# Allegro board mb1260.brd (continued)
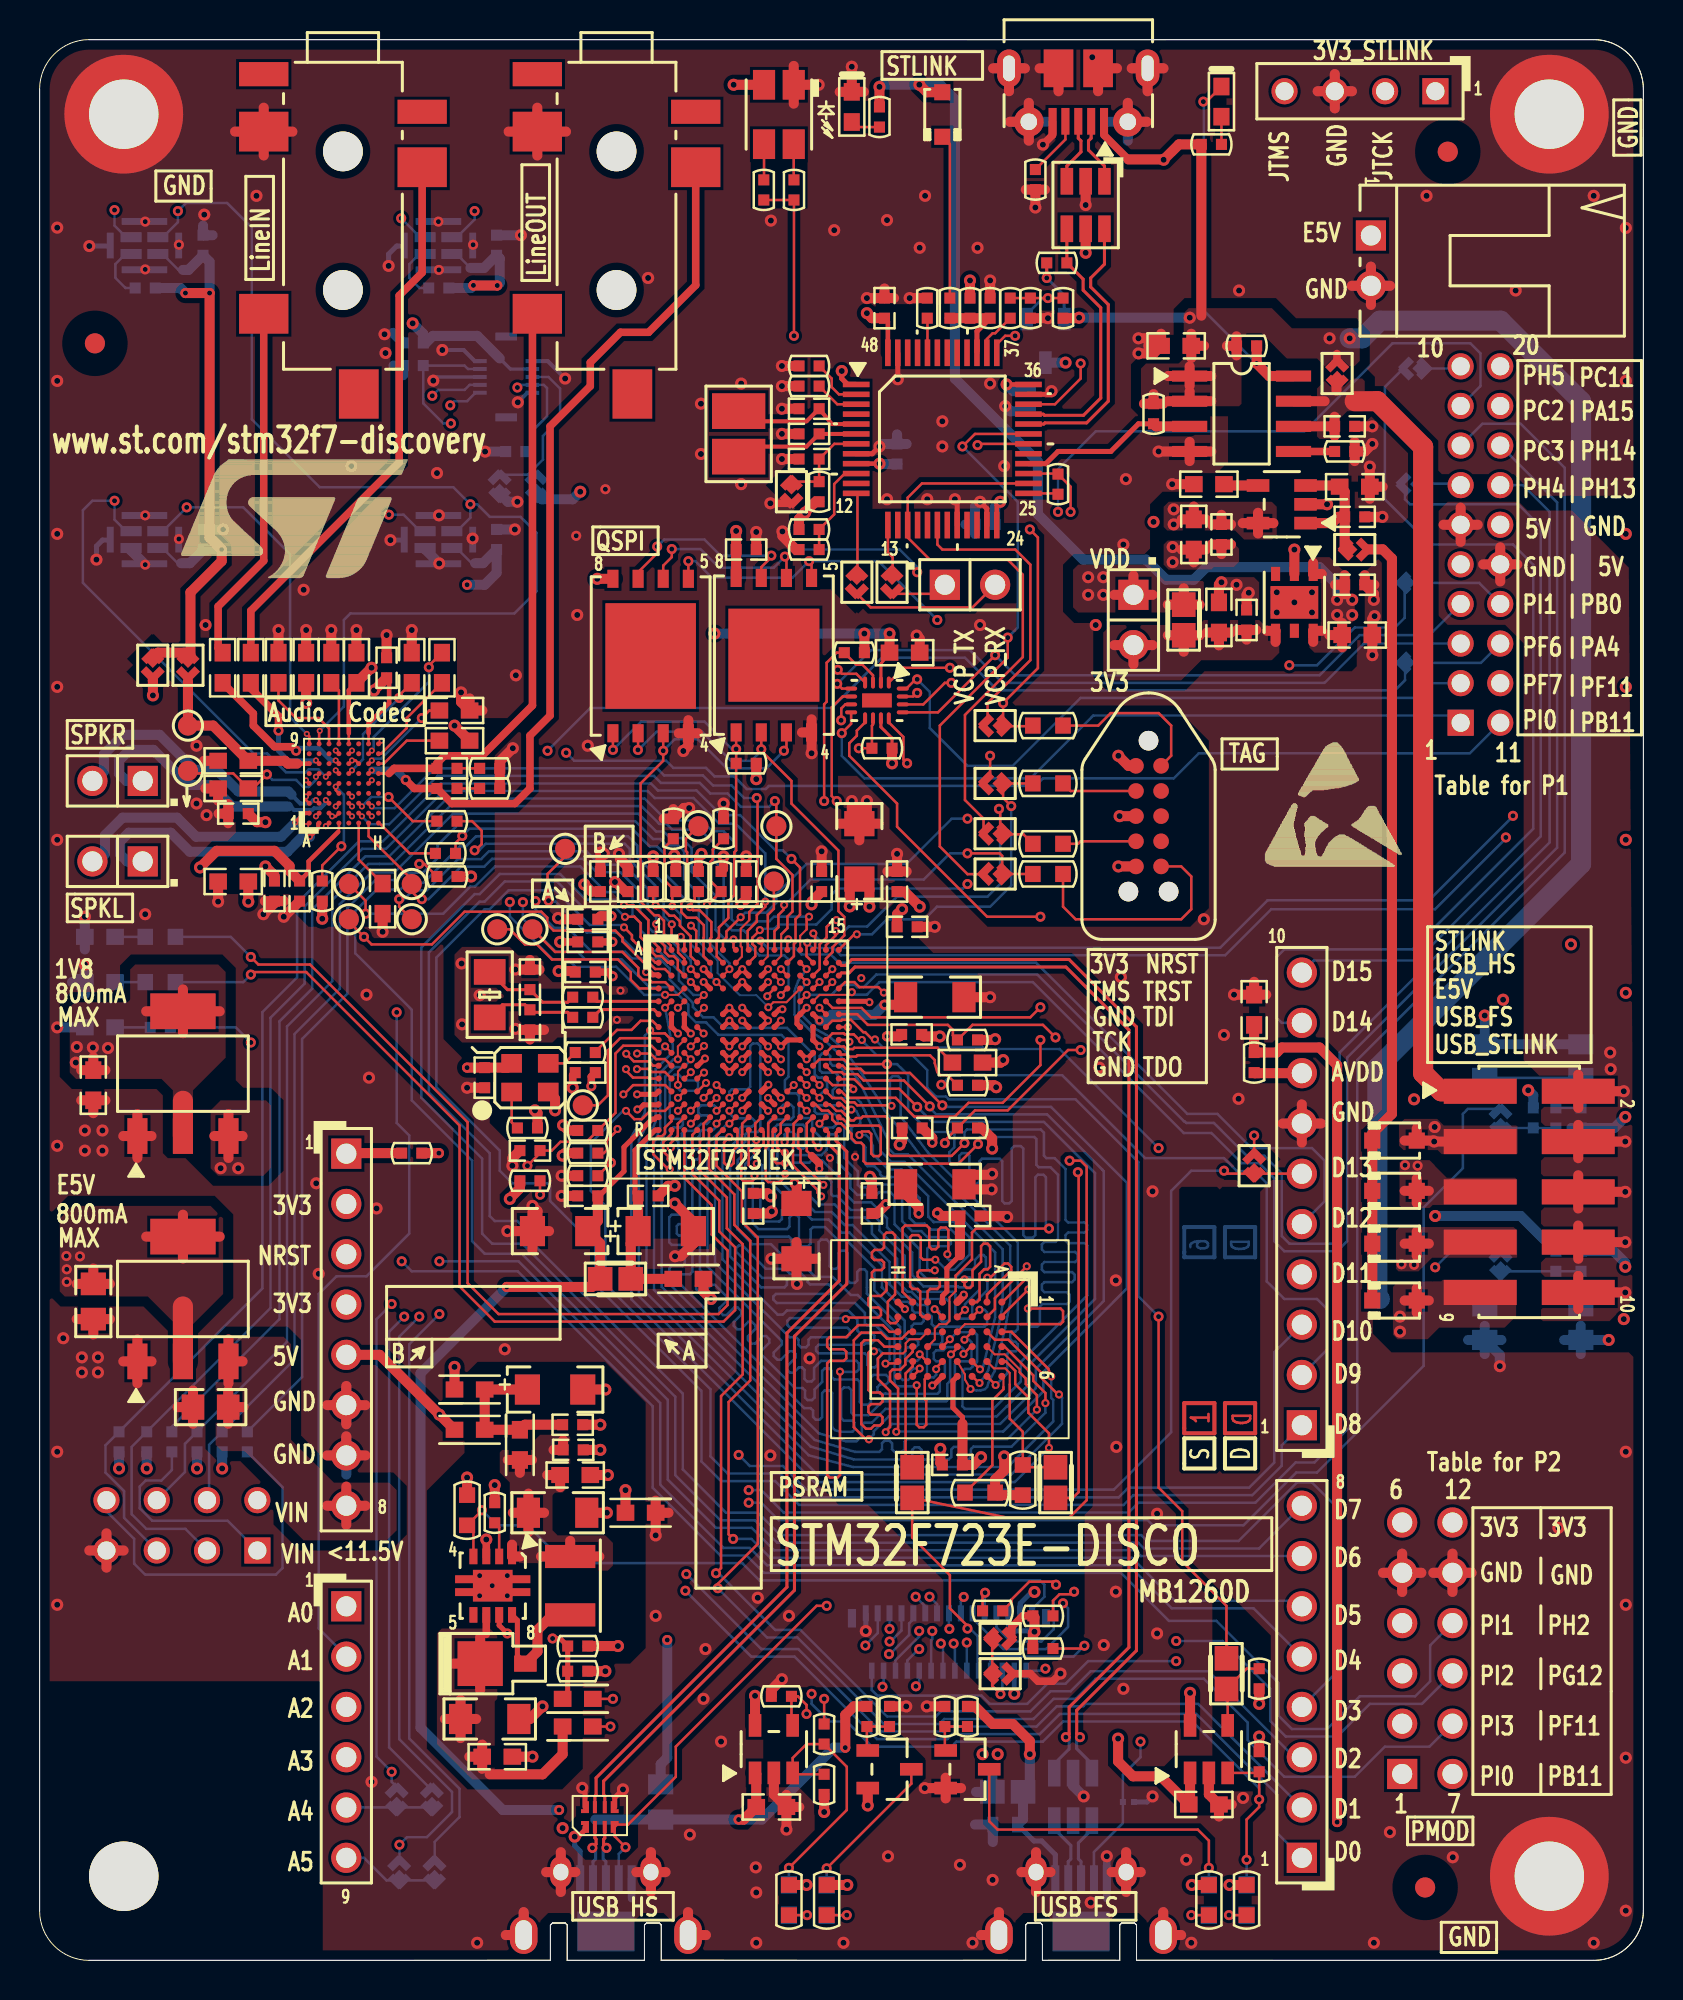
[diagram p0: board, top side]
## Routing (per net, layer and track width the routed paths; a pad name or vN(x,y) marks a point on that pad's centre or on a via; arc(x,y) is an arc through that point) (continued)
  L4_SIG w0.102: v2(40.48,62.62) 38.37,62.62 37.85,62.1 35.31,62.1 33.15,59.94 31.5,59.94 27.88,56.32 27.88,55.21 28.37,54.71 28.37,52.17 28.6,51.94 29.08,51.94 30.76,50.27 30.78,50.27 31.11,49.93 31.11,47.83 30.45,47.17 30.45,46.69 30.53,46.61 30.53,45.37 v1(30.17,45.01)
PMOD_UART7_RTS: length 34.7
  TOP w0.102: v1(32.89,44.86) 32.89,44.86 U8.L3
  TOP w0.127: v2(43.81,60.45) 43.62,60.64 43.62,61.79 42.89,62.52 U20.12
  L4_SIG w0.102: v2(43.81,60.45) 43.31,60.96 42.55,60.96 41.66,60.07 37.59,60.07 36.69,59.17 33.91,59.17 33.69,58.95 32.03,58.95 30.51,57.43 30.51,55.55 30.58,55.48 30.58,51.82 31.78,50.62 33.63,50.62 34.08,50.17 34.08,50.02 34.62,49.48 34.62,49.07 34.01,48.46 34.01,47.21 34.11,47.11 34.11,46.55 34.01,46.45 34.01,45.29 33.91,45.19 33.23,45.19 v1(32.89,44.86)
PMOD_UART7_RXD: length 32.7
  TOP w0.127: v2(40.31,65.18) 40.51,64.97 41.25,64.97 U20.4 ; U8.K2 31.58,45.51 31.13,45.51 30.85,45.8 v1(30.18,45.8)
  L4_SIG w0.102: v2(40.31,65.18) 37.62,62.48 35.18,62.48 32.97,60.27 31.22,60.27 27.41,56.46 27.41,55.17 28.04,54.53 28.04,51.36 28.55,50.85 29.31,50.85 29.98,50.18 29.98,49.88 30.45,49.4 30.45,47.6 30.15,47.29 30.15,45.82 v1(30.18,45.8)
PMOD_UART7_TXD: length 37.5
  TOP w0.127: v1(29.63,45.78) 30.01,45.4 30.77,45.4 30.99,45.18 U8.K1 ; v2(44.32,64.01) 44.3,64.01 44.12,63.83 U20.15
  L4_SIG w0.102: v2(44.32,64.01) 44.3,64.01 42.65,65.66 40.13,65.66 37.34,62.87 35.05,62.87 32.77,60.58 30.91,60.58 26.82,56.49 26.82,53.64 27.23,53.24 27.23,51.56 28.35,50.44 29.29,50.44 29.68,50.05 29.68,49.75 30.07,49.35 30.07,47.65 29.84,47.42 29.84,46 29.79,45.95 29.79,45.95 v1(29.63,45.78)
PSRAM_A0: length 60.7
  TOP w0.127: U10.A3 49.08,31.74 50.94,29.88 v1(51.09,29.49) ; v2(51.33,18.97) 51.18,19.13 49.99,19.13 49.09,18.22 49.09,18.1 48.64,17.65 ; v1(31.59,48.11) U8.E2
  L4_SIG w0.102: v2(51.33,18.97) 51.89,19.53 51.89,28.78 51.18,29.49 v1(51.09,29.49)
  BOTTOM w0.127: v1(31.59,48.11) 31.88,46.58 31.98,46.26 31.98,45.87 31.11,45.01 31.11,42.37 30.66,41.27 30.65,41.25 30.65,33.7 38.84,25.51 41.07,24.92 48.9,24.92 51.19,27.22 51.19,28.31 51.09,28.41 v1(51.09,29.49)
PSRAM_A1: length 43.9
  TOP w0.102: U8.H3 32.24,46.15 v1(32.24,45.51)
  TOP w0.127: U10.A4 48.74,30.99 50.19,29.54 50.19,29.26 50.8,28.65 v1(50.8,28.14)
  BOTTOM w0.127: v1(32.24,45.51) 32.02,45.51 31.34,44.83 31.34,42.04 31.03,41.27 31.03,33.86 38.95,25.95 41.13,25.3 43.94,25.3 44.07,25.43 44.07,25.78 44.2,25.91 44.41,25.91 44.54,25.78 44.54,25.43 44.67,25.3 45.92,25.3 46.05,25.43 46.05,25.81 46.17,25.93 46.43,25.93 46.55,25.81 46.55,25.43 46.68,25.3 46.91,25.3 47.04,25.43 47.04,25.82 47.16,25.95 49.09,25.95 50.8,27.66 v1(50.8,28.14)
PSRAM_A2: length 46.2
  TOP w0.127: v1(30.84,46.96) 30.99,46.81 31.58,46.81 U8.H2 ; U10.A5 48.8,30.24 49.28,29.77 49.28,29.1 49.94,28.44 49.94,27.66 50.98,26.62 v1(50.98,25.88)
  BOTTOM w0.127: v1(50.98,25.88) 49.25,24.16 39.12,24.16 29.89,33.38 29.89,41.58 30.48,42.64 30.57,42.79 30.57,46.7 v1(30.84,46.96)
PSRAM_A3: length 46.3
  TOP w0.102: v1(31.59,46.16) 31.91,45.84 U8.J2
  TOP w0.127: v1(51.49,28.58) 51.43,28.58 50.57,29.44 50.57,29.7 48.93,31.34 48.25,31.34 U10.B3
  BOTTOM w0.102: 30.89,45.45 v1(31.59,46.16)
  BOTTOM w0.127: 30.89,45.45 30.89,42.57 30.48,41.82 30.27,41.43 30.27,33.54 39.28,24.54 49.07,24.54 51.64,27.1 51.64,28.43 v1(51.49,28.58)
PSRAM_A4: length 41.5
  TOP w0.102: v1(32.89,45.51) 32.84,45.55 32.84,45.55 U8.J3 ; U10.B4 48.24,30.61 48.74,30.61 49.49,29.86 49.49,29.7 49.53,29.66
  TOP w0.127: 49.53,29.66 49.81,29.38 49.81,29.1 50.37,28.54 v1(50.37,27.81)
  BOTTOM w0.127: v1(50.37,27.81) 48.88,26.33 43.81,26.33 43.69,26.2 43.69,25.81 43.56,25.68 43.18,25.68 43.05,25.81 43.05,26.11 42.93,26.24 42.67,26.24 42.55,26.11 42.55,25.81 42.42,25.68 41.18,25.68 39.15,26.28 31.42,34.01 31.42,41.27 31.6,41.83 31.6,44.63 32.08,45.11 32.54,45.11 32.89,45.46 v1(32.89,45.51)
PSRAM_A5: length 41.5
  TOP w0.102: U8.K3 32.53,45.18 32.24,44.89 v1(32.24,44.21)
  TOP w0.127: U10.C3 46.71,31.36 v1(46.71,31.34)
  BOTTOM w0.127: v1(32.24,44.21) 32.24,44.04 32.37,43.92 33.13,43.92 33.25,44.04 33.25,44.34 33.16,44.43 32.58,44.43 32.28,44.73 32.08,44.73 31.83,44.48 31.83,42.62 31.95,42.49 32.36,42.49 32.49,42.37 32.49,42.19 32.36,42.06 32,42.06 31.88,41.94 31.88,41.58 32,41.45 32.13,41.45 32.26,41.33 32.26,39.78 32.59,39.45 32.59,37.78 32.46,37.66 31.93,37.66 31.8,37.53 31.8,36.26 31.93,36.13 32.46,36.13 32.59,36.01 32.59,35.19 32.46,35.06 31.92,35.06 31.8,34.95 31.8,34.17 39.35,26.62 40.73,26.21 41.25,26.21 41.53,26.49 41.53,27.03 41.66,27.15 42.03,27.15 42.72,27.85 46.09,27.85 46.23,27.99 46.23,30.12 46.35,30.25 46.94,30.25 47.07,30.38 47.07,31.22 46.94,31.34 v1(46.71,31.34)
PSRAM_A6: length 41.6
  TOP w0.127: U10.C4 47.03,30.99 v1(46.66,30.63) ; v1(34.19,42.26) 34.51,42.58 U8.P6
  BOTTOM w0.127: v1(34.19,42.26) 34.19,42.12 34.01,41.94 33.45,41.94 33.35,41.83 33.35,41.66 33.22,41.53 33.05,41.53 32.92,41.4 32.92,41.07 33.05,40.94 33.22,40.94 33.35,40.82 33.35,40.57 33.22,40.45 33.12,40.45 33.02,40.35 33.02,40.09 33.17,39.94 33.22,39.94 33.35,39.81 33.35,34.87 33.57,34.66 33.57,34.51 33.16,34.1 33.16,33.89 33.34,33.71 33.52,33.71 33.7,33.9 33.93,34.12 34.11,34.12 34.72,33.51 34.72,33.33 34.34,32.95 34.34,32.77 34.52,32.59 34.7,32.59 35.08,32.97 35.26,32.97 35.44,32.79 35.44,32.61 35.06,32.23 35.06,32.05 35.24,31.87 35.42,31.87 35.8,32.25 35.98,32.25 36.15,32.07 36.15,31.89 35.78,31.51 35.78,31.33 35.96,31.15 36.14,31.15 36.51,31.53 36.69,31.53 36.85,31.37 36.85,31.19 36.45,30.79 36.45,30.6 38.14,28.91 38.53,28.91 38.66,28.78 38.66,28.42 38.79,28.3 39.01,28.3 39.14,28.42 39.14,28.83 39.52,29.21 39.52,29.77 39.65,29.9 39.88,29.9 40.01,29.77 40.01,29.46 40.13,29.34 41.3,29.34 41.43,29.21 41.43,28.19 41.55,28.07 41.86,28.07 41.99,28.19 41.99,29.44 42.11,29.57 42.75,29.57 42.88,29.44 42.88,29.21 42.75,29.08 42.44,29.08 42.32,28.96 42.32,28.74 42.44,28.61 42.72,28.61 45.35,28.61 45.47,28.73 45.47,29.34 45.72,29.59 45.72,30.12 45.59,30.25 45.29,30.25 45.16,30.38 45.16,30.68 45.29,30.81 45.64,30.81 45.81,30.97 46.56,30.97 46.66,30.87 v1(46.66,30.63)
PSRAM_A7: length 41.6
  TOP w0.127: v1(46.03,30.6) 46.35,30.93 U10.D4 ; U8.N6 34.51,43.23 v1(34.19,42.91)
  BOTTOM w0.127: v1(34.19,42.91) 34.19,43.05 34.06,43.18 33.4,43.18 33.27,43.05 33.27,42.8 33.4,42.67 33.71,42.67 33.82,42.56 33.82,42.37 33.7,42.24 33.4,42.24 33.17,42.01 33.17,42.01 33.05,41.89 32.56,41.89 32.44,41.76 32.44,41.55 32.64,41.35 32.64,39.94 32.97,39.6 32.97,37.31 32.84,37.19 32.28,37.19 32.18,37.08 32.18,36.7 32.28,36.6 32.84,36.6 32.97,36.47 32.97,34.77 32.84,34.65 32.36,34.65 32.23,34.52 32.23,34.28 38.62,27.89 38.94,27.89 39.07,27.76 39.07,27.44 39.2,27.3 39.4,27.3 39.52,27.43 39.52,28.65 39.65,28.78 39.9,28.78 40.03,28.65 40.03,26.92 40.18,26.77 40.44,26.7 41.05,26.7 41.15,26.8 41.15,27.15 41.05,27.25 40.61,27.25 40.49,27.38 40.49,28.8 40.61,28.93 40.87,28.93 41,28.8 41,27.66 41.12,27.53 41.87,27.53 42.57,28.23 45.78,28.23 45.85,28.3 45.85,29.11 45.98,29.25 45.98,30.56 v1(46.03,30.6)
PSRAM_A8: length 41.5
  TOP w0.127: U10.H2 43.35,32.31 43.22,32.18 42.97,32.18 42.84,32.31 42.84,33.27 43.21,33.63 43.21,36.63 43.08,36.75 42.77,36.75 42.65,36.63 42.65,36.01 42.52,35.88 42.16,35.88 42.04,35.75 42.04,35.5 42.16,35.37 42.52,35.37 42.65,35.24 42.65,34.99 42.52,34.86 42.16,34.86 42.04,34.74 42.04,34.48 42.16,34.35 42.65,34.35 42.77,34.23 42.77,33.83 42.49,33.55 41.99,33.55 41.86,33.43 41.86,33.1 41.99,32.97 42.37,32.97 42.49,32.84 42.49,32.59 42.37,32.46 40.79,32.46 v1(40.72,32.38) ; v1(34.83,41.57) 34.57,41.31 34.57,40.28 34.72,40.13 34.92,40.13 35.05,40.26 35.05,40.92 35.24,41.12 35.24,41.8 35.26,41.82 35.26,41.86 35.18,41.93 U8.R7
  BOTTOM w0.127: v1(34.83,41.57) 34.83,41.57 34.82,41.57 34.37,41.57 34.11,41.31 34.11,35.24 37.88,31.47 38.2,31.47 38.33,31.34 38.33,31.09 38.46,30.96 38.71,30.96 38.84,31.09 38.84,31.34 38.96,31.47 39.19,31.47 40.79,31.47 40.92,31.6 40.92,31.83 40.79,31.95 37.9,31.95 37.77,32.08 37.77,32.31 37.9,32.44 40.67,32.44 v1(40.72,32.38)
PSRAM_A9: length 41.8
  TOP w0.127: v1(34.84,42.25) 34.84,42.26 U8.P7 ; U10.H3 42.93,31.74 42.59,32.08 41.35,32.08 40.74,31.48 39.9,31.48 39.78,31.35 39.78,30.99 39.9,30.86 40.61,30.86 40.74,30.73 40.74,30.4 40.61,30.28 39.9,30.28 39.78,30.15 39.78,24.51 39.9,24.38 40.3,24.38 40.42,24.51 v1(40.42,29.73)
  BOTTOM w0.127: v1(40.42,29.73) 40.44,29.72 41.25,29.72 41.38,29.84 41.38,30.15 41.25,30.28 39.47,30.28 39.12,29.92 39.12,29.36 38.99,29.24 38.76,29.24 38.63,29.36 38.63,29.82 38.51,29.95 38.35,29.95 38.09,29.68 37.91,29.68 37.76,29.83 37.76,30.01 38.19,30.44 38.19,30.62 38.05,30.76 37.87,30.76 37.44,30.33 37.26,30.33 37.08,30.52 37.08,30.69 37.48,31.1 37.48,31.28 33.73,35.03 33.73,41.25 34.74,42.25 v1(34.84,42.25)
PSRAM_A10: length 41.4
  TOP w0.102: v1(34.84,42.91) 35.16,43.23 U8.N7
  TOP w0.127: U10.H4 42.67,30.99 42.34,31.32 41.66,31.32 41.5,31.16 41.5,27.08 41.74,26.85 41.99,26.85 42.15,27.01 42.44,27.01 42.57,27.14 42.57,27.43 42.44,27.56 41.99,27.56 41.86,27.69 41.86,27.97 41.99,28.09 42.44,28.09 42.57,28.22 42.57,28.55 42.44,28.68 41.99,28.68 41.86,28.8 41.86,30.68 41.94,30.76 v1(42.14,30.76)
  BOTTOM w0.127: v1(42.14,30.76) 42.22,30.84 42.39,30.84 42.51,30.72 42.51,30.55 42.32,30.35 42.32,30.07 42.19,29.95 41.94,29.95 41.81,30.07 41.81,30.53 41.68,30.66 39.34,30.66 39.22,30.78 39.22,30.96 39.34,31.09 41.63,31.09 41.71,31.17 42.04,31.17 42.16,31.29 42.16,31.55 42.04,31.67 41.43,31.67 41.3,31.8 41.3,32.36 40.84,32.82 37.74,32.82 37.54,32.61 37.27,32.61 34.49,35.39 34.49,41.05 34.59,41.15 34.95,41.15 35.33,41.53 35.33,41.99 35.46,42.11 35.99,42.11 36.12,42.24 36.12,42.39 35.99,42.52 35.09,42.52 34.84,42.77 v1(34.84,42.91)
PSRAM_A11: length 41.5
  TOP w0.102: U8.M7 v1(34.84,43.56)
  TOP w0.127: v1(42.72,30.14) 42.74,30.15 43.25,30.15 U10.H5
  BOTTOM w0.127: v1(34.84,43.56) 34.84,43.87 34.96,43.99 35.76,43.99 35.89,44.12 35.89,46.18 36.02,46.3 36.27,46.3 36.4,46.18 36.4,41.96 36.27,41.83 35.76,41.83 35.64,41.71 35.64,41.34 34.87,40.58 34.87,35.55 36.44,33.99 37.62,33.99 37.74,34.11 37.74,34.34 37.62,34.47 36.5,34.47 35.18,35.79 35.18,35.97 35.32,36.11 35.5,36.11 36.68,34.92 37.64,34.92 37.9,34.67 38.48,34.67 38.79,34.37 38.79,34.26 38.91,34.14 39.85,34.14 39.98,34.01 39.98,33.78 39.85,33.66 37.19,33.66 37.06,33.53 37.06,33.37 37.23,33.2 41.18,33.2 41.68,32.7 41.68,32.18 41.81,32.05 42.24,32.05 42.93,31.37 42.93,30.34 v1(42.72,30.14)
PSRAM_A12: length 45.1
  TOP w0.127: U10.G3 43.89,31.74 43.54,31.39 42.8,31.39 42.49,31.7 41.5,31.7 41.12,31.32 41.12,26.92 41.73,26.31 v1(41.88,26.31) ; U8.L15 40.4,44.5 41.15,44.5 41.63,44.02 43.41,44.02 v2(44.32,43.1)
  BOTTOM w0.127: v1(41.88,26.31) 42.13,26.56 42.13,26.72 42.88,27.47 48.33,27.47 48.83,27.97 48.85,27.97 49.94,29.06 49.94,30.03 53.3,33.4 53.3,39.76 50.72,42.34 45.08,42.34 v2(44.32,43.1)
PSRAM_A13: length 42.8
  TOP w0.127: v1(43.27,26.69) 43.36,26.78 43.36,28.88 42.95,29.29 42.95,29.71 43.08,29.84 43.48,29.84 43.72,30.08 43.72,30.36 44.1,30.74 U10.G4 ; v2(45.59,43.18) 43.96,44.82 41.67,44.82 41.46,45.03 40.72,45.03 40.56,45.18 U8.K15
  BOTTOM w0.127: v2(45.59,43.18) 45.67,43.1 51.08,43.1 54.91,39.27 54.91,33.93 50.7,29.72 50.7,28.74 48.67,26.71 43.28,26.71 v1(43.27,26.69)
PSRAM_A14: length 44.6
  TOP w0.102: U10.F3 44.47,31.37 43.94,31.37 43.74,31.17 43.74,30.78 43.61,30.65 43,30.65
  TOP w0.127: 43,30.65 42.59,30.65 42.34,30.41 42.34,29.36 42.95,28.75 42.95,26.93 42.73,26.72 v1(42.73,26.68) ; v2(44.96,43.13) 43.65,44.44 41.62,44.44 41.3,44.75 40.61,44.75 40.51,44.86 40.04,44.86 U8.K14
  BOTTOM w0.127: v2(44.96,43.13) 44.96,43.05 45.29,42.72 50.88,42.72 53.68,39.92 53.68,39.92 53.75,39.85 53.75,33.3 50.32,29.88 50.32,28.9 48.51,27.09 43.04,27.09 42.73,26.78 v1(42.73,26.68)
PSRAM_A15: length 45.2
  TOP w0.102: U10.F4 45.21,31.36 45.21,31.9 45.44,32.13 45.8,32.13 45.95,32.29 45.95,33.48 46.27,33.79
  TOP w0.127: U8.K13 39.38,45.5 40.62,45.5 40.86,45.26 v2(42.8,45.26) ; 46.27,33.79 46.27,34.58 47.09,35.41 47.09,36.75 47.29,36.96 v2(50.98,36.96)
  BOTTOM w0.127: v2(50.98,36.96) 50.95,36.96 50.83,37.08 50.83,39.55 50.7,39.67 50.42,39.67 50.29,39.55 50.29,36.63 50.16,36.5 49.81,36.5 49.68,36.63 49.68,41 49.56,41.12 49.23,41.12 49.1,41 49.1,38.35 48.97,38.23 48.74,38.23 48.62,38.35 48.62,40.36 48.49,40.49 47.6,40.49 47.47,40.36 47.47,39.34 47.34,39.22 47.09,39.22 46.96,39.34 46.96,40.64 46.84,40.77 46.58,40.77 46.46,40.64 46.46,40.34 46.33,40.21 46.08,40.21 45.95,40.34 45.95,40.82 46.2,41.07 46.2,41.71 46.08,41.83 44.93,41.83 43.87,42.9 43.87,44.7 43.31,45.26 v2(42.8,45.26)
PSRAM_A16: length 41.5
  TOP w0.127: U8.N14 39.91,43.23 40.25,42.9 40.5,42.9 40.68,42.71 40.68,42.71 40.97,42.42 41.12,42.42 41.24,42.54 41.5,42.54 41.58,42.62 42.74,42.62 42.86,42.49 42.86,40.75 42.99,40.63 46.06,40.63 v2(46.71,41.27) ; U10.E4 v1(45.97,31.37)
  BOTTOM w0.127: v2(46.71,41.27) 46.71,41.83 46.84,41.96 50.57,41.96 50.72,41.8 50.72,40.64 50.85,40.51 51.26,40.51 51.82,39.96 51.82,37.39 51.94,37.27 52.78,37.27 52.91,37.14 52.91,36.88 52.78,36.76 51.94,36.76 51.82,36.63 51.82,36.35 51.94,36.22 52.79,36.22 52.92,36.09 52.92,33.59 49.56,30.23 49.56,29.23 48.18,27.85 46.74,27.85 46.61,27.98 46.61,29.74 46.74,29.87 47,29.87 47.13,30 47.13,30 47.35,30.22 47.35,31.6 47.22,31.72 46.33,31.72 v1(45.97,31.37)
PSRAM_A17: length 43.2
  TOP w0.102: U10.D3 46.74,32.13 49.53,32.13
  TOP w0.127: U8.N13 39.19,43.23 39.51,42.91 39.83,42.91 40.03,42.71 40.03,42.47 40.23,42.26 40.48,42.26 41.01,41.74 41.01,41.52 41.24,41.29 41.49,41.29 41.62,41.16 41.62,40.36 41.74,40.23 46.41,40.23 v2(47.4,41.22) ; 49.53,32.13 51.56,32.13 51.69,32.26 51.69,32.79 51.56,32.92 v1(49.91,32.92)
  BOTTOM w0.127: v2(47.4,41.22) 47.4,41.48 47.5,41.58 50.24,41.58 50.34,41.48 50.34,40.17 50.46,40.06 51.05,40.06 51.44,39.67 51.44,36.41 51.31,36.28 50.75,36.28 50.62,36.16 50.62,35.9 50.75,35.78 52.3,35.78 52.43,35.65 52.43,35.39 52.3,35.27 50.75,35.27 50.62,35.14 50.62,34.89 50.75,34.76 52.15,34.76 52.27,34.63 52.27,34.38 52.15,34.25 50.75,34.25 50.62,34.12 50.62,33.87 50.75,33.74 51.89,33.74 52.02,33.62 52.02,33.27 51.89,33.15 50.65,33.15 50.52,33.02 50.52,32.13 50.39,32 50.04,32 49.91,32.13 v1(49.91,32.92)
PSRAM_NBL0: length 53.2
  TOP w0.127: v1(32.9,52.25) 33.17,51.99 33.17,51.08 U8.A4 ; v1(49.89,34.49) 48.64,33.24 U10.A1
  L4_SIG w0.102: v1(32.9,52.25) 33.12,52.25 33.25,52.38 33.25,54.48 33.38,54.61 33.96,54.61 34.09,54.48 34.09,52.38 34.21,52.25 34.39,52.25 34.52,52.38 34.52,54.58 34.65,54.71 34.85,54.71 34.98,54.58 34.98,52.38 35.1,52.25 35.84,52.25 35.97,52.38 35.97,54.08 36.09,54.2 36.96,54.2 37.08,54.08 37.08,51.26 36.35,50.52 36.35,48.64 36.14,48.44 36.14,42.6 36.65,42.09 37.89,42.09 38.99,40.99 38.99,40.9 39.2,40.69 39.49,40.69 39.68,40.88 40.09,40.88 40.3,40.67 40.3,39.36 41.05,38.62 41.05,38.62 41.08,38.58 41.08,37.2 41.38,36.91 47.29,36.91 47.9,36.3 47.9,35.59 48.03,35.46 48.34,35.46 48.46,35.59 48.46,36.27 48.59,36.4 49.91,36.4 51,35.31 51,34.62 50.88,34.49 v1(49.89,34.49)
PSRAM_NBL1: length 53.1
  TOP w0.127: U10.B2 48.25,32.89 48.25,33.44 v1(49.86,35.05) ; v1(32.39,51.69) 32.39,51.69 32.56,51.51 U8.A3
  L4_SIG w0.102: v1(32.39,51.69) 32.39,51.69 33.15,51.69 33.4,51.94 35.48,51.94 35.61,51.82 35.61,51.41 36.14,50.88 36.14,48.79 35.89,48.54 35.89,42.47 36.58,41.78 37.67,41.78 38.97,40.49 39.45,40.49 39.77,40.17 39.89,40.17 39.98,40.07 39.98,39.25 40.74,38.49 40.74,34.26 40.86,34.14 41.03,34.14 41.15,34.26 41.15,36.47 41.27,36.6 41.43,36.6 41.55,36.47 41.55,34.26 41.67,34.14 41.84,34.14 41.96,34.26 41.96,36.47 42.09,36.6 42.24,36.6 42.37,36.47 42.37,34.26 42.49,34.14 42.65,34.14 42.77,34.26 42.77,36.48 42.89,36.6 43.06,36.6 43.18,36.48 43.18,35.22 43.3,35.1 43.47,35.1 43.59,35.22 43.59,36.47 43.71,36.6 47.17,36.6 47.6,36.17 47.6,35.18 47.73,35.05 v1(49.86,35.05)
PSRAM_NE1: length 44.8
  TOP w0.127: R65.1 52.18,23.36 52.48,23.65 52.48,39.76 v2(52.44,39.8) ; v1(37.81,51.56) 37.76,51.51 U8.A11
  L4_SIG w0.102: v2(52.44,39.8) 52.49,39.85 52.49,40.65 49.66,43.48 48.13,43.48 45.58,46.04 44.93,46.04 44.83,46.14 44.83,46.71 44.72,46.81 44.52,46.81 44.42,46.71 44.42,46.14 44.32,46.04 44.11,46.04 44.01,46.14 44.01,46.71 43.91,46.81 43.71,46.81 43.61,46.71 43.61,46.14 43.5,46.04 40.64,46.04 39.22,47.09 38.34,47.97 38.34,52.55 38.22,52.68 37.94,52.68 37.81,52.55 v1(37.81,51.56)
PWR_ENN: length 9
  TOP w0.254: 56.26,77.6 55.5,77.6 54.1,76.2 51.44,76.2 50.82,75.59 U2.28
  TOP w0.508: U1.3 56.39,77.47 56.26,77.6
PWR_EXT: length 4.1
  TOP w0.254: U2.39 47.34,82.27 R6.2
  TOP w0.508: R4.1 R5.1 R6.2
QSPI_CLK: length 58.7
  TOP w0.127: U8.M6 34.19,44.21 v1(34.19,44.21) ; U6.6 31.5,70.43 31.93,70.87 v2(31.93,71.27) ; U5.6 37.72,70.82 v2(37.64,70.89)
  L4_SIG w0.102: v2(44.32,70.1) 43.88,69.66 43.88,68.49 45.21,67.16 45.21,60.58 43.94,59.31 39.12,59.31 37.08,57.28 33.53,57.28 32.74,56.49 32.74,53.82 32.38,53.47 32.38,52.2 32.03,51.84 32.03,51.54 32.39,51.18 35.23,51.18 35.92,50.5 35.92,48.85 35.63,48.56 34.77,48.56 34.42,48.21 34.42,47.38 34.57,47.22 34.57,46.39 34.42,46.24 34.42,44.44 v1(34.19,44.21)
  BOTTOM w0.127: v2(31.93,71.27) 33.38,71.27 34.32,70.33 37.08,70.33 v2(37.64,70.89) 38,71.25 43.44,71.25 44.32,70.36 v2(44.32,70.1)
QSPI_D0: length 42.5
  TOP w0.127: v2(38.86,70.66) 38.99,70.54 38.99,69.81 ; v2(32.77,70.66) U6.5 ; U8.F14 39.71,47.78 v1(39.39,48.11)
  L4_SIG w0.102: v1(39.39,48.11) 39.39,48.15 40.72,49.49 40.72,50.1 41.2,50.57 45.21,50.57 45.72,51.08 45.72,58.55 46.94,59.77 46.94,66.09 v2(45.34,67.69)
  BOTTOM w0.127: v2(32.77,70.66) 33.12,70.66 33.96,69.82 38.02,69.82 v2(38.86,70.66) 42.37,70.66 v2(45.34,67.69)
QSPI_D1: length 22.1
  TOP w0.127: 36.45,62.01 v2(36.45,61.16) 36.45,61.09 37.97,59.56 37.97,58.42 40.35,56.05 40.35,52.99 40.64,52.7 40.64,51.76 40.05,51.16 40.05,50.92 39.71,50.58 U8.B14 ; U6.2 30.23,61.14 v2(30.22,61.13)
  BOTTOM w0.127: v2(36.45,61.16) 36.45,61.09 35.94,60.58 34.92,60.58 33.45,62.05 31.17,62.05 30.24,61.13 v2(30.22,61.13)
QSPI_D2: length 20.5
  TOP w0.127: U8.A2 31.88,51.07 31.88,51.25 31.53,51.59 31.53,52.5 31.25,52.78 31.04,52.78 30.35,53.47 30.35,59.44 31.5,60.58 v2(31.5,61.09) U6.3 ; U5.3 37.72,61.21 v2(37.59,61.09)
  BOTTOM w0.127: v2(31.5,61.09) 32.08,61.67 33.23,61.67 34.7,60.2 36.7,60.2 v2(37.59,61.09)
QSPI_D3: length 68
  TOP w0.127: U6.7 30.23,70.1 31.19,71.07 v2(31.19,71.4) ; 36.45,69.81 36.45,70.36 36.96,70.87 v2(36.96,70.94) ; U8.M15 40.5,43.88 40.82,43.56 43.23,43.56 44.18,42.61 46.22,42.61 46.91,43.31 48.64,43.31 50.55,45.21 v2(50.55,46.48)
  L4_SIG w0.102: v2(50.55,46.48) 51.33,47.27 51.33,70.87 52.58,72.11 52.58,73.68 51.98,74.27 41.38,74.27 38.73,71.63 37.64,71.63 v2(36.96,70.94)
  BOTTOM w0.127: v2(31.19,71.4) 31.55,71.75 33.58,71.75 34.39,70.94 v2(36.96,70.94)
QSPI_NCS: length 20.4
  TOP w0.127: U8.B6 34.2,50.7 34.2,51.55 34.31,51.66 34.31,52.16 34.79,52.64 34.79,53.5 35.09,53.81 35.09,55.96 35.18,56.05 v2(35.18,61.17) U5.1 ; U6.1 v2(28.96,61.13)
  BOTTOM w0.127: v2(35.18,61.17) 34.96,61.17 33.58,62.56 30.38,62.56 v2(28.96,61.13)
REXT_OTGPHY: length 7
  TOP w0.127: U8.J15 40.45,45.75 40.76,45.75 40.86,45.64 41.24,45.64 41.31,45.71 44.97,45.71 45.21,45.47 45.21,45.31 45.34,44.86 45.49,44.7 45.85,44.7 R54.1
SAI2_FS_A: length 27.2
  TOP w0.127: U8.C2 31.58,50.06 31.09,50.06 30.73,50.42 30.48,50.42 29.44,51.46 29.44,51.65 29.08,52.01 25.96,52.01 25.64,52.32 25.64,52.65 25.34,52.96 21.46,52.96 19.81,51.31 16.76,51.31 v2(16.38,51.69) 15.62,52.45 TP11.1 ; U7.E3 v3(15.78,58.28)
  L4_SIG w0.102: v2(16.38,51.69) 17.14,52.45 17.14,55.63 15.47,57.3 15.47,57.97 v3(15.78,58.28)
SAI2_I2C1_SCL: length 18.9
  TOP w0.127: 33.27,53.98 33.08,53.78 33.08,53.55 32.84,53.31 v1(32.84,53.19) 32.99,53.04 33.33,53.04 33.93,52.44 33.93,51.66 33.86,51.59 U8.A5 ; R39.1 21.01,56.43 21.35,56.77 v2(21.35,56.79)
  BOTTOM w0.127: v1(32.84,53.19) 32.84,53.34 32.31,53.87 32.31,54.14 31.56,54.89 31.56,55.88 31.19,56.25 30.82,56.25 29.92,57.15 21.71,57.15 v2(21.35,56.79)
SAI2_I2C1_SDA: length 18.8
  TOP w0.127: R35.1 21.84,57.53 22.33,57.05 22.33,56.37 22.02,56.06 v2(21.97,56.06) ; 30.99,53.98 30.99,53.4 v1(31.11,53.28) 31.23,53.16 31.41,53.16 31.82,52.76 32.05,52.76 32.33,52.47 32.33,52.26 32.88,51.72 32.88,50.71 U8.B4
  BOTTOM w0.127: v1(31.11,53.28) 31.09,53.3 31.09,54.28 29.81,55.56 29.81,56.14 29.55,56.39 22.53,56.39 22.2,56.06 v2(21.97,56.06)
SAI2_INT: length 30
  TOP w0.102: 35.84,52.58 35.84,52.53 35.41,52.1 35.41,51.22 35.47,51.16 35.47,50.69 U8.B7
  TOP w0.127: v2(36.22,58.7) 36.26,58.66 36.26,53.36 35.84,52.94 35.84,52.58 ; U7.G3 v3(16.78,58.28)
  BOTTOM w0.127: v3(16.78,58.28) 16.87,58.19 17.93,58.19 19.94,60.2 31.19,60.2 31.54,59.84 33.5,59.84 34.01,59.33 34.95,59.33 35.59,58.7 v2(36.22,58.7)
SAI2_MCLK_A: length 29.8
  TOP w0.127: U7.D3 v3(14.96,58.28) ; v2(16.46,52.86) 16.46,53.51 TP6.1 ; v1(32.89,49.41) 33.09,49.21 33.09,49.21 U8.D4
  L4_SIG w0.102: v3(14.96,58.28) 15.19,58.04 15.19,57.15 16.84,55.5 16.84,53.23 v2(16.46,52.86)
  BOTTOM w0.127: v1(32.89,49.41) 32.52,49.78 32.52,50.33 31.41,51.43 31.29,51.56 30.82,51.56 30.37,52.02 30.37,52.38 29.95,52.8 29.95,53.81 29.8,53.95 28.6,53.95 27.3,55.24 23.01,55.24 21.99,54.23 21.75,54.23 20.38,52.86 v2(16.46,52.86)
SAI2_SCK_A: length 23.3
  TOP w0.127: v2(19.3,53.59) 19.18,53.59 18.8,53.98 TP7.1 18.8,54.58 16.62,56.76 U7.G1 ; U8.C4 v1(32.89,50.06)
  BOTTOM w0.127: v2(19.3,53.59) 19.64,53.59 21.28,55.23 22.46,55.23 22.85,55.63 27.46,55.63 28.14,54.95 29.34,54.95 30.33,53.96 30.33,52.95 30.75,52.53 30.75,52.17 30.98,51.94 31.45,51.94 32.89,50.5 v1(32.89,50.06)
SAI2_SD_A: length 29.2
  TOP w0.127: U7.E4 v3(15.78,58.78) ; v1(31.14,52.34) 31.13,52.32 31.13,51.68 31.58,51.22 31.58,50.92 31.78,50.71 32.03,50.71 32.23,50.51 32.23,50.06 U8.C3 ; v2(18.16,53.59) 18.16,53.21 TP12.1
  L4_SIG w0.102: v2(18.16,53.59) 19.68,55.12 19.68,55.88 16.79,58.78 v3(15.78,58.78)
  BOTTOM w0.127: v2(18.16,53.59) 18.41,53.59 18.86,54.04 19.55,54.04 21.12,55.61 22.3,55.61 22.69,56.01 27.62,56.01 28.29,55.33 29.5,55.33 30.71,54.12 30.71,53.11 31.14,52.68 v1(31.14,52.34)
SAI2_SD_B: length 31.9
  TOP w0.102: 37.46,51.82 37.46,50.72 U8.B10
  TOP w0.127: 37.46,51.82 37.77,52.13 37.77,52.71 38.02,52.97 38.02,54.81 37.21,55.63 TP4.1 37.21,58.47 v2(37.13,58.55) ; U7.F2 v3(16.28,57.78)
  BOTTOM w0.127: v2(37.13,58.55) 36.84,58.25 35.42,58.25 34.75,58.93 33.87,58.93 33.34,59.46 31.38,59.46 31.03,59.82 20.1,59.82 17.66,57.38 16.67,57.38 v3(16.28,57.78)
STLINK_RX: length 2.6
  TOP w0.127: U2.13 42.84,71.1 43.08,70.86 SB9.2
STLINK_TX: length 4.1
  TOP w0.127: U2.12 41.31,74.02 SB8.2
STM_JTCK: length 29.4
  TOP w0.127: U2.37 48.34,81.62 48.77,82.04 v2(49.27,82.04)
  L4_SIG w0.102: CN2.2 67,95.35 62.33,95.35 60.96,93.98 60.96,90.04 52.2,81.28 51.64,81.28 51.28,80.92 50.39,80.92 49.28,82.04 v2(49.27,82.04)
STM_JTMS: length 22.3
  TOP w0.127: U2.34 51.28,78.59 52.58,79.88 v2(52.58,80.64)
  L4_SIG w0.102: CN2.4 62.31,94.39 61.39,93.47 61.39,89.84 52.58,81.03 v2(52.58,80.64)
STM_RST: length 4.7
  TOP w0.127: U2.7 40.14,76.59 C7.2 R24.1 38.11,74.68 SB6.2
STMOD+_ADC_DAC: length 4.2
  BOTTOM w0.127: SB28.1 72.79,65.52 P1.13
STMOD+_I2C2_SCL: length 2.1
  BOTTOM w0.127: SB25.2 71.69,74.58 P1.7
STMOD+_I2C2_SDA: length 1.7
  BOTTOM w0.127: P1.10 71.66,80.39 70.1,80.39
STMOD+_SPI2_MISOS: length 79.9
  TOP w0.127: U8.M4 33.23,43.88 33.66,44.31 v1(33.66,44.31)
  L4_SIG w0.102: v2(51.44,73.15) 51.44,72.39 50.55,71.5 44.58,71.5 43.56,70.48 43.56,68.33 44.83,67.06 44.83,60.71 43.81,59.69 38.99,59.69 36.96,57.66 32.64,57.66 31.52,56.54 31.52,51.54 32.13,50.93 33.7,50.93 34.28,50.34 34.28,50.11 34.82,49.57 34.82,48.9 34.21,48.29 34.21,47.29 34.34,47.16 34.34,46.45 34.21,46.32 34.21,44.88 33.66,44.33 v1(33.66,44.31)
  BOTTOM w0.127: P1.9 72.77,79.5 72.77,81.15 72.26,81.66 68.33,81.66 63.88,77.22 53.34,77.22 51.44,75.31 v2(51.44,73.15)
STMOD+_SPI2_MOSIS: length 113.7
  TOP w0.127: v1(33.54,43.56) 33.54,43.56 U8.M5
  L4_SIG w0.102: v1(33.54,43.56) 33.54,41.6 34.85,40.28 34.85,36.07 36.2,34.72 36.2,24.77 35.81,24.38 v2(35.81,23.75)
  BOTTOM w0.127: v2(35.81,23.75) 36.45,23.75 37.58,22.62 55,22.62 55.5,23.11 61.41,23.11 63.44,25.15 64.39,25.15 66.55,27.3 66.55,45.47 77.03,55.94 77.03,75.37 74.8,77.6 72.87,77.6 P1.8
STMOD+_TIM2_CH1: length 61.4
  TOP w0.127: U8.A13 39.06,51.06 39.17,51.16 39.17,51.76 39.07,51.86 v1(39.08,51.86)
  L4_SIG w0.102: v2(74.41,57.8) 75.73,59.12 75.73,76.54 P1.19
  BOTTOM w0.127: v2(74.41,57.8) 74.41,57.78 70.17,53.53 62.02,53.53 59.63,51.14 40.61,51.14 40.3,51.45 39.47,51.45 39.06,51.86 v1(39.08,51.86)
STMOD+_TIM3_CH3: length 4.3
  BOTTOM w0.127: P1.14 72.71,69.56 SB29.1
STMOD+_UART4_RXD: length 80.9
  TOP w0.102: U8.E13 39.39,48.76 40.89,48.76 v1(41.02,48.9)
  BOTTOM w0.127: P1.18 76.64,73.63 76.64,56.2 66.04,45.59 66.04,36.32 65.53,35.81 62.87,35.81 62.36,36.32 62.36,39.5 61.59,40.26 60.71,40.26 59.18,41.78 57.78,41.78 50.16,49.4 42.42,49.4 41.78,48.77 41.15,48.77 v1(41.02,48.9)
STMOD+_UART4_RXD_S: length 64.8
  TOP w0.127: U8.B13 38.73,50.71 38.73,51.35 v1(38.77,51.39)
  L4_SIG w0.102: P1.20 76.07,78.2 76.07,58.73 v2(74.05,56.71)
  BOTTOM w0.127: v1(38.77,51.39) 39.04,51.13 40.1,51.13 40.46,50.76 59.88,50.76 62.2,53.09 70.48,53.09 74.05,56.66 v2(74.05,56.71)
